# KiCad board haptic display 8x8 aisler.kicad_pcb (continued)
## Routing (per net, layer and track width the routed paths; a pad name or vN(x,y) marks a point on that pad's centre or on a via; arc(x,y) is an arc through that point) (continued)
21.32,17.34 21.56,17.47 21.79,17.63 22.01,17.8 22.2,17.99 22.38,18.2 22.54,18.43 22.68,18.67 22.8,18.92 22.89,19.18 22.95,19.45 23,19.72 23.01,20 23,20.28 22.97,20.55 22.91,20.83 22.82,21.09 22.71,21.35 22.58,21.6 22.42,21.83 22.25,22.05 22.05,22.25 21.84,22.43 21.61,22.6 21.36,22.74 21.11,22.85 20.84,22.95 20.56,23.02 20.28,23.06 20,23.07 19.72,23.07 19.43,23.03 19.16,22.97 18.88,22.88 18.62,22.77 18.37,22.63 18.13,22.47 17.91,22.29 17.7,22.09 17.52,21.88 17.35,21.64 17.21,21.39 17.09,21.13 16.99,20.86 16.92,20.58 16.88,20.29 16.86,20 16.87,19.71 16.91,19.42 16.97,19.14 17.06,18.86 17.17,18.59 17.31,18.34 17.48,18.09 17.66,17.87 17.86,17.66 18.09,17.47 18.33,17.3 18.58,17.15 18.85,17.03 19.13,16.93 19.41,16.86 19.71,16.82 20,16.8 20.28,16.81 20.56,16.84 20.83,16.9 21.1,16.98 21.36,17.08 21.61,17.21 21.85,17.36 22.07,17.53 22.28,17.72 22.48,17.92 22.65,18.14 22.81,18.38 22.94,18.63 23.05,18.89 23.14,19.16 23.21,19.43 23.25,19.72 23.26,20 23.25,20.28 23.22,20.57 23.16,20.85 23.08,21.12 22.97,21.39 22.84,21.64 22.69,21.89 22.52,22.11 22.33,22.33 22.12,22.53 21.89,22.7 21.65,22.86 21.4,23 21.13,23.11 20.86,23.2 20.58,23.27 20.29,23.31 20,23.32 19.71,23.32 19.42,23.28 19.14,23.22 18.86,23.14 18.59,23.03 18.33,22.9 18.08,22.74 17.84,22.57 17.63,22.37 17.43,22.16 17.25,21.93 17.08,21.68 16.95,21.42 16.83,21.15 16.74,20.87 16.67,20.59 16.63,20.29 16.61,20 16.62,19.7 16.66,19.41 16.72,19.12 16.8,18.84 16.91,18.56 17.05,18.3 17.21,18.04 17.38,17.8 17.58,17.58 17.8,17.38 18.04,17.19 18.29,17.03 18.55,16.89 18.82,16.77 19.11,16.68 19.4,16.61 19.7,16.57 20,16.55 20.29,16.56 20.57,16.59 20.85,16.65 21.12,16.72 21.39,16.83 21.65,16.95 21.9,17.09 22.14,17.26 22.36,17.44 22.56,17.64 22.75,17.86 22.92,18.09 23.07,18.34 23.2,18.6 23.31,18.86 23.4,19.14 23.46,19.42 23.5,19.71 23.51,20 23.5,20.29 23.47,20.58 23.41,20.86 23.33,21.14 23.23,21.42 23.11,21.68 22.96,21.93 22.79,22.17 22.61,22.4 22.4,22.61 22.18,22.8 21.94,22.97 21.69,23.13 21.43,23.26 21.16,23.37 20.88,23.46 20.59,23.52 20.29,23.56 20,23.57 19.7,23.57 19.41,23.53 19.12,23.48 18.83,23.39 18.56,23.29 18.29,23.16 18.03,23.01 17.79,22.84 17.56,22.65 17.35,22.44 17.15,22.22 16.97,21.98 16.82,21.72 16.68,21.45 16.57,21.18 16.48,20.89 16.42,20.6 16.38,20.3 16.36,20 16.37,19.7 16.41,19.4 16.46,19.1 16.55,18.81 16.65,18.53 16.78,18.26 16.94,18 17.11,17.75 17.3,17.52 17.51,17.3 17.74,17.1 17.99,16.92 18.25,16.76 18.52,16.63 18.8,16.51 19.09,16.42 19.39,16.36 19.69,16.32 20,16.3 20.29,16.31 20.58,16.34 20.87,16.39 21.15,16.47 21.42,16.57 21.69,16.69 21.94,16.83 22.19,16.99 22.42,17.17 22.64,17.36 22.84,17.57 23.02,17.8 23.19,18.05 23.34,18.3 23.46,18.57 23.57,18.84 23.65,19.12 23.71,19.41 23.75,19.71 23.76,20 23.75,20.3 23.72,20.59 23.67,20.88 23.59,21.17 23.49,21.45 23.37,21.72 23.23,21.98 23.06,22.23 22.88,22.46 22.68,22.68 22.47,22.89 22.23,23.07 21.99,23.24 21.73,23.39 21.46,23.52 21.18,23.63 20.89,23.71 20.6,23.77 20.3,23.81 20,23.82 19.7,23.82 19.4,23.78 19.1,23.73 18.81,23.65 18.53,23.55 18.25,23.42 17.99,23.28 17.74,23.11 17.5,22.93 17.27,22.73 17.07,22.51 16.88,22.27 16.7,22.02 16.55,21.76 16.42,21.48 16.31,21.2 16.23,20.91 16.17,20.61 16.13,20.3 16.11,20 16.12,19.69 16.15,19.39 16.21,19.09 16.29,18.79 16.39,18.51 16.52,18.23 16.67,17.96 16.83,17.7 17.02,17.46 17.23,17.23 17.45,17.02 17.69,16.82 17.95,16.65 18.22,16.5 18.49,16.37 18.78,16.26 19.08,16.17 19.38,16.1 19.69,16.07 20,16.05 20.3,16.06 20.59,16.09 20.88,16.14 21.17,16.21 21.45,16.31 21.72,16.43 21.99,16.56 22.24,16.72 22.48,16.89 22.71,17.08 22.92,17.29 23.12,17.51 23.3,17.75 23.46,18 23.6,18.27 23.72,18.54 23.82,18.82 23.9,19.11 23.96,19.4 24,19.7 24.01,20 24,20.3 23.97,20.6 23.92,20.89 23.85,21.19 23.75,21.47 23.63,21.75 23.49,22.02 23.33,22.27 23.16,22.52 22.96,22.75 22.75,22.97 22.52,23.17 22.28,23.35 22.03,23.51 21.76,23.66 21.48,23.78 21.2,23.88 20.9,23.96 20.61,24.02 20.3,24.06 20,24.07 19.7,24.07 19.39,24.04 19.09,23.98 18.8,23.91 18.51,23.81 18.22,23.69 17.95,23.55 17.69,23.39 17.44,23.21 17.21,23.01 16.99,22.79 16.79,22.56 16.6,22.32 16.43,22.06 16.29,21.79 16.16,21.51 16.06,21.22 15.97,20.92 15.91,20.62 15.88,20.31 15.86,20 15.87,19.69 15.9,19.38 15.96,19.08 16.03,18.78 16.13,18.48 16.26,18.2 16.4,17.92 16.56,17.66 16.74,17.4 16.95,17.17 17.16,16.94 17.4,16.74 17.65,16.55 17.91,16.38 18.19,16.23 18.47,16.1 18.77,16 19.07,15.91 19.37,15.85 19.69,15.81 20,15.8 20.3,15.81 20.6,15.84 20.89,15.89 21.19,15.96 21.47,16.05 21.75,16.16 22.02,16.3 22.28,16.45 22.53,16.62 22.77,16.8 22.99,17.01 23.2,17.23 23.39,17.46 23.57,17.71 23.72,17.97 23.86,18.24 23.98,18.52 24.08,18.8 24.16,19.1 24.21,19.39 24.25,19.7 24.26,20 24.25,20.3 24.22,20.61 24.17,20.91 24.1,21.2 24.01,21.49 23.89,21.78 23.76,22.05 23.6,22.32 23.43,22.57 23.24,22.81 23.04,23.04 22.81,23.25 22.58,23.44 22.33,23.62 22.06,23.78 21.79,23.92 21.51,24.04 21.22,24.14 20.92,24.22 20.61,24.28 20.31,24.31 20,24.32 19.69,24.32 19.38,24.29 19.08,24.23 18.78,24.16 18.48,24.07 18.2,23.95 17.92,23.81 17.65,23.66 17.39,23.48 17.15,23.29 16.92,23.08 16.71,22.85 16.51,22.61 16.33,22.36 16.17,22.09 16.02,21.82 15.9,21.53 15.8,21.23 15.72,20.93 15.66,20.62 15.63,20.31 15.61,20 15.62,19.69 15.65,19.37 15.7,19.07 15.78,18.76 15.88,18.46 15.99,18.17 16.13,17.89 16.29,17.62 16.47,17.36 16.66,17.11 16.88,16.88 17.1,16.66 17.35,16.46 17.61,16.28 17.88,16.11 18.16,15.97 18.45,15.84 18.75,15.74 19.06,15.66 19.37,15.6 19.68,15.56 20,15.55 21.45,15.55 ; 20.41,123.98 20.36,123.96 20,123.6 20,123.55 20.21,123.56 20.41,123.6 20.61,123.67 20.8,123.76 20.97,123.88 21.12,124.03 21.25,124.19 21.36,124.38 21.44,124.58 21.49,124.79 21.51,125 21.5,125.22 21.46,125.43 21.39,125.64 21.29,125.83 21.16,126.01 21.01,126.17 20.84,126.31 20.65,126.42 20.44,126.5 20.22,126.55 20,126.58 19.78,126.56 19.55,126.52 19.34,126.45 19.14,126.34 18.95,126.21 18.78,126.05 18.64,125.87 18.53,125.67 18.44,125.46 18.38,125.23 18.36,125 18.37,124.77 18.42,124.54 18.49,124.31 18.6,124.1 18.74,123.91 18.91,123.74 19.09,123.59 19.3,123.47 19.52,123.38 19.76,123.32 20,123.3 20.22,123.31 20.44,123.35 20.66,123.41 20.86,123.51 21.05,123.63 21.22,123.78 21.38,123.94 21.51,124.13 21.61,124.33 21.69,124.55 21.74,124.77 21.76,125 21.75,125.23 21.71,125.46 21.64,125.68 21.54,125.89 21.42,126.09 21.27,126.27 21.1,126.43 20.9,126.56 20.69,126.67 20.47,126.75 20.24,126.8 20,126.83 19.76,126.81 19.52,126.77 19.3,126.7 19.08,126.6 18.87,126.47 18.69,126.31 18.52,126.13 18.38,125.93 18.27,125.72 18.19,125.49 18.13,125.25 18.11,125 18.12,124.75 18.17,124.51 18.24,124.27 18.35,124.05 18.48,123.84 18.64,123.64 18.83,123.47 19.04,123.33 19.26,123.21 19.5,123.13 19.75,123.07 20,123.05 20.24,123.06 20.47,123.1 20.7,123.16 20.92,123.26 21.12,123.38 21.31,123.52 21.48,123.68 21.64,123.87 21.76,124.07 21.87,124.29 21.94,124.52 21.99,124.76 22.01,125 22,125.24 21.96,125.48 21.9,125.72 21.8,125.94 21.68,126.16 21.53,126.35 21.36,126.53 21.17,126.69 20.96,126.82 20.73,126.93 20.49,127.01 20.25,127.06 20,127.08 19.75,127.06 19.5,127.02 19.26,126.95 19.03,126.85 18.81,126.73 18.6,126.57 18.42,126.4 18.26,126.2 18.12,125.98 18.01,125.75 17.93,125.51 17.88,125.26 17.86,125 17.87,124.74 17.92,124.49 17.99,124.24 18.09,124 18.22,123.77 18.38,123.56 18.56,123.37 18.76,123.21 18.99,123.07 19.22,122.96 19.48,122.87 19.74,122.82 20,122.8 20.25,122.81 20.49,122.85 20.73,122.91 20.96,123 21.18,123.12 21.39,123.26 21.58,123.42 21.75,123.61 21.9,123.81 22.02,124.03 22.12,124.26 22.2,124.5 22.24,124.75 22.26,125 22.25,125.25 22.21,125.51 22.15,125.75 22.05,125.99 21.93,126.22 21.79,126.43 21.62,126.62 21.43,126.8 21.23,126.95 21,127.08 20.76,127.18 20.52,127.26 20.26,127.31 20,127.33 19.74,127.31 19.48,127.28 19.23,127.21 18.98,127.11 18.75,126.99 18.53,126.84 18.33,126.67 18.15,126.47 18,126.26 17.87,126.03 17.76,125.78 17.68,125.53 17.63,125.27 17.61,125 17.62,124.73 17.66,124.47 17.73,124.21 17.83,123.96 17.96,123.72 18.11,123.49 18.29,123.29 18.49,123.11 18.71,122.94 18.94,122.81 19.2,122.7 19.46,122.62 19.73,122.57 20,122.55 20.26,122.56 20.51,122.6 20.76,122.66 21,122.75 21.24,122.86 21.45,123 21.66,123.16 21.85,123.34 22.01,123.54 22.16,123.75 22.28,123.98 22.38,124.23 22.45,124.48 22.49,124.74 22.51,125 22.5,125.26 22.47,125.52 22.4,125.78 22.31,126.03 22.19,126.27 22.05,126.49 21.89,126.7 21.7,126.89 21.5,127.06 21.28,127.21 21.04,127.34 20.79,127.44 20.53,127.51 20.27,127.56 20,127.58 19.73,127.57 19.46,127.53 19.2,127.46 18.95,127.37 18.7,127.25 18.47,127.1 18.26,126.94 18.06,126.75 17.89,126.54 17.73,126.31 17.61,126.07 17.5,125.81 17.43,125.55 17.38,125.28 17.36,125 17.37,124.72 17.41,124.45 17.48,124.18 17.58,123.92 17.7,123.67 17.85,123.44 18.02,123.22 18.21,123.02 18.43,122.84 18.66,122.68 18.91,122.55 19.17,122.44 19.44,122.37 19.72,122.32 20,122.3 20.27,122.31 20.53,122.34 20.79,122.41 21.04,122.49 21.28,122.6 21.51,122.74 21.73,122.89 21.93,123.07 22.11,123.26 22.28,123.48 22.42,123.71 22.54,123.95 22.63,124.2 22.7,124.46 22.75,124.73 22.76,125 22.75,125.27 22.72,125.54 22.65,125.81 22.57,126.06 22.45,126.31 22.32,126.55 22.16,126.77 21.98,126.98 21.77,127.16 21.56,127.33 21.32,127.47 21.08,127.6 20.82,127.69 20.55,127.76 20.28,127.81 20,127.83 19.72,127.82 19.45,127.78 19.18,127.71 18.91,127.62 18.66,127.51 18.42,127.37 18.19,127.2 17.98,127.02 17.79,126.81 17.62,126.59 17.47,126.35 17.35,126.1 17.25,125.83 17.18,125.56 17.13,125.28 17.11,125 17.12,124.72 17.16,124.44 17.23,124.16 17.32,123.89 17.44,123.63 17.58,123.38 17.75,123.15 17.94,122.94 18.15,122.74 18.37,122.57 18.62,122.42 18.88,122.29 19.15,122.19 19.43,122.11 19.71,122.07 20,122.05 20.27,122.06 20.54,122.09 20.81,122.15 21.07,122.24 21.32,122.34 21.56,122.47 21.79,122.63 22.01,122.8 22.2,122.99 22.38,123.2 22.54,123.43 22.68,123.67 22.8,123.92 22.89,124.18 22.95,124.45 23,124.72 23.01,125 23,125.28 22.97,125.55 22.91,125.83 22.82,126.09 22.71,126.35 22.58,126.6 22.42,126.83 22.25,127.05 22.05,127.25 21.84,127.43 21.61,127.6 21.36,127.74 21.11,127.85 20.84,127.95 20.56,128.02 20.28,128.06 20,128.07 19.72,128.07 19.43,128.03 19.16,127.97 18.88,127.88 18.62,127.77 18.37,127.63 18.13,127.47 17.91,127.29 17.7,127.09 17.52,126.88 17.35,126.64 17.21,126.39 17.09,126.13 16.99,125.86 16.92,125.58 16.88,125.29 16.86,125 16.87,124.71 16.91,124.42 16.97,124.14 17.06,123.86 17.17,123.59 17.31,123.34 17.48,123.09 17.66,122.87 17.86,122.66 18.09,122.47 18.33,122.3 18.58,122.15 18.85,122.03 19.13,121.93 19.41,121.86 19.71,121.82 20,121.8 20.28,121.81 20.56,121.84 20.83,121.9 21.1,121.98 21.36,122.08 21.61,122.21 21.85,122.36 22.07,122.53 22.28,122.72 22.48,122.92 22.65,123.14 22.81,123.38 22.94,123.63 23.05,123.89 23.14,124.16 23.21,124.43 23.25,124.72 23.26,125 23.25,125.28 23.22,125.57 23.16,125.85 23.08,126.12 22.97,126.39 22.84,126.64 22.69,126.89 22.52,127.11 22.33,127.33 22.12,127.53 21.89,127.7 21.65,127.86 21.4,128 21.13,128.11 20.86,128.2 20.58,128.27 20.29,128.31 20,128.32 19.71,128.32 19.42,128.28 19.14,128.22 18.86,128.14 18.59,128.03 18.33,127.9 18.08,127.74 17.84,127.57 17.63,127.37 17.43,127.16 17.25,126.93 17.08,126.68 16.95,126.42 16.83,126.15 16.74,125.87 16.67,125.59 16.63,125.29 16.61,125 16.62,124.7 16.66,124.41 16.72,124.12 16.8,123.84 16.91,123.56 17.05,123.3 17.21,123.04 17.38,122.8 17.58,122.58 17.8,122.38 18.04,122.19 18.29,122.03 18.55,121.89 18.82,121.77 19.11,121.68 19.4,121.61 19.7,121.57 20,121.55 20.29,121.56 20.57,121.59 20.85,121.65 21.12,121.72 21.39,121.83 21.65,121.95 21.9,122.09 22.14,122.26 22.36,122.44 22.56,122.64 22.75,122.86 22.92,123.09 23.07,123.34 23.2,123.6 23.31,123.86 23.4,124.14 23.46,124.42 23.5,124.71 23.51,125 23.5,125.29 23.47,125.58 23.41,125.86 23.33,126.14 23.23,126.42 23.11,126.68 22.96,126.93 22.79,127.17 22.61,127.4 22.4,127.61 22.18,127.8 21.94,127.97 21.69,128.13 21.43,128.26 21.16,128.37 20.88,128.46 20.59,128.52 20.29,128.56 20,128.57 19.7,128.57 19.41,128.53 19.12,128.48 18.83,128.39 18.56,128.29 18.29,128.16 18.03,128.01 17.79,127.84 17.56,127.65 17.35,127.44 17.15,127.22 16.97,126.98 16.82,126.72 16.68,126.45 16.57,126.18 16.48,125.89 16.42,125.6 16.38,125.3 16.36,125 16.37,124.7 16.41,124.4 16.46,124.1 16.55,123.81 16.65,123.53 16.78,123.26 16.94,123 17.11,122.75 17.3,122.52 17.51,122.3 17.74,122.1 17.99,121.92 18.25,121.76 18.52,121.63 18.8,121.51 19.09,121.42 19.39,121.36 19.69,121.32 20,121.3 20.29,121.31 20.58,121.34 20.87,121.39 21.15,121.47 21.42,121.57 21.69,121.69 21.94,121.83 22.19,121.99 22.42,122.17 22.64,122.36 22.84,122.57 23.02,122.8 23.19,123.05 23.34,123.3 23.46,123.57 23.57,123.84 23.65,124.12 23.71,124.41 23.75,124.71 23.76,125 23.75,125.3 23.72,125.59 23.67,125.88 23.59,126.17 23.49,126.45 23.37,126.72 23.23,126.98 23.06,127.23 22.88,127.46 22.68,127.68 22.47,127.89 22.23,128.07 21.99,128.24 21.73,128.39 21.46,128.52 21.18,128.63 20.89,128.71 20.6,128.77 20.3,128.81 20,128.82 19.7,128.82 19.4,128.78 19.1,128.73 18.81,128.65 18.53,128.55 18.25,128.42 17.99,128.28 17.74,128.11 17.5,127.93 17.27,127.73 17.07,127.51 16.88,127.27 16.7,127.02 16.55,126.76 16.42,126.48 16.31,126.2 16.23,125.91 16.17,125.61 16.13,125.3 16.11,125 16.12,124.69 16.15,124.39 16.21,124.09 16.29,123.79 16.39,123.51 16.52,123.23 16.67,122.96 16.83,122.7 17.02,122.46 17.23,122.23 17.45,122.02 17.69,121.82 17.95,121.65 18.22,121.5 18.49,121.37 18.78,121.26 19.08,121.17 19.38,121.1 19.69,121.07 20,121.05 20.3,121.06 20.59,121.09 20.88,121.14 21.17,121.21 21.45,121.31 21.72,121.43 21.99,121.56 22.24,121.72 22.48,121.89 22.71,122.08 22.92,122.29 23.12,122.51 23.3,122.75 23.46,123 23.6,123.27 23.72,123.54 23.82,123.82 23.9,124.11 23.96,124.4 24,124.7 24.01,125 24,125.3 23.97,125.6 23.92,125.89 23.85,126.19 23.75,126.47 23.63,126.75 23.49,127.02 23.33,127.27 23.16,127.52 22.96,127.75 22.75,127.97 22.52,128.17 22.28,128.35 22.03,128.51 21.76,128.66 21.48,128.78 21.2,128.88 20.9,128.96 20.61,129.02 20.3,129.06 20,129.07 19.7,129.07 19.39,129.04 19.09,128.98 18.8,128.91 18.51,128.81 18.22,128.69 17.95,128.55 17.69,128.39 17.44,128.21 17.21,128.01 16.99,127.79 16.79,127.56 16.6,127.32 16.43,127.06 16.29,126.79 16.16,126.51 16.06,126.22 15.97,125.92 15.91,125.62 15.88,125.31 15.86,125 15.87,124.69 15.9,124.38 15.96,124.08 16.03,123.78 16.13,123.48 16.26,123.2 16.4,122.92 16.56,122.66 16.74,122.4 16.95,122.17 17.16,121.94 17.4,121.74 17.65,121.55 17.91,121.38 18.19,121.23 18.47,121.1 18.77,121 19.07,120.91 19.37,120.85 19.69,120.81 20,120.8 20.3,120.81 20.6,120.84 20.89,120.89 21.19,120.96 21.47,121.05 21.75,121.16 22.02,121.3 22.28,121.45 22.53,121.62 22.77,121.8 22.99,122.01 23.2,122.23 23.39,122.46 23.57,122.71 23.72,122.97 23.86,123.24 23.98,123.52 24.08,123.8 24.16,124.1 24.21,124.39 24.25,124.7 24.26,125 24.25,125.3 24.22,125.61 24.17,125.91 24.1,126.2 24.01,126.49 23.89,126.78 23.76,127.05 23.6,127.32 23.43,127.57 23.24,127.81 23.04,128.04 22.81,128.25 22.58,128.44 22.33,128.62 22.06,128.78 21.79,128.92 21.51,129.04 21.22,129.14 20.92,129.22 20.61,129.28 20.31,129.31 20,129.32 19.69,129.32 19.38,129.29 19.08,129.23 18.78,129.16 18.48,129.07 18.2,128.95 17.92,128.81 17.65,128.66 17.39,128.48 17.15,128.29 16.92,128.08 16.71,127.85 16.51,127.61 16.33,127.36 16.17,127.09 16.02,126.82 15.9,126.53 15.8,126.23 15.72,125.93 15.66,125.62 15.63,125.31 15.61,125 15.62,124.69 15.65,124.37 15.7,124.07 15.78,123.76 15.88,123.46 15.99,123.17 16.13,122.89 16.29,122.62 16.47,122.36 16.66,122.11 16.88,121.88 17.1,121.66 17.35,121.46 17.61,121.28 17.88,121.11 18.16,120.97 18.45,120.84 18.75,120.74 19.06,120.66 19.37,120.6 19.68,120.56 20,120.55 21.45,120.55
  Back w0.25: 21.45,105.55 23.65,105.55 26.35,108.25 REF**#3.2 ; 21.45,90.55 23.65,90.55 26.35,93.25 REF**#4.2 ; 21.45,75.55 23.65,75.55 26.35,78.25 REF**#5.2 ; 21.45,60.55 23.65,60.55 26.35,63.25 REF**#6.2 ; 21.45,45.55 23.65,45.55 26.35,48.25 REF**#7.2 ; 21.45,30.55 23.65,30.55 26.35,33.25 REF**#8.2 ; 21.45,15.55 23.65,15.55 26.35,18.25 REF**#9.2 ; 21.45,120.55 23.65,120.55 26.35,123.25 REF**#2.2
  Back w0.5: REF**#10.1 REF**#3.2 ; REF**#11.1 REF**#4.2 ; REF**#12.1 REF**#5.2 ; REF**#13.1 REF**#6.2 ; REF**#14.1 REF**#7.2 ; REF**#15.1 REF**#8.2 ; REF**#16.1 REF**#9.2 ; REF**.1 REF**#2.2
  vias: v1(19.6,124) v1(19.6,109) v1(19.6,94) v1(19.6,79) v1(19.6,64) v1(19.6,49) v1(19.6,34) v1(19.6,19) v1(20.4,124) v1(20.4,109) v1(20.4,94) v1(20.4,79) v1(20.4,64) v1(20.4,49) v1(20.4,34) v1(20.4,19)
